# Altium PCB shkabara_motherboard.PcbDoc (continued)
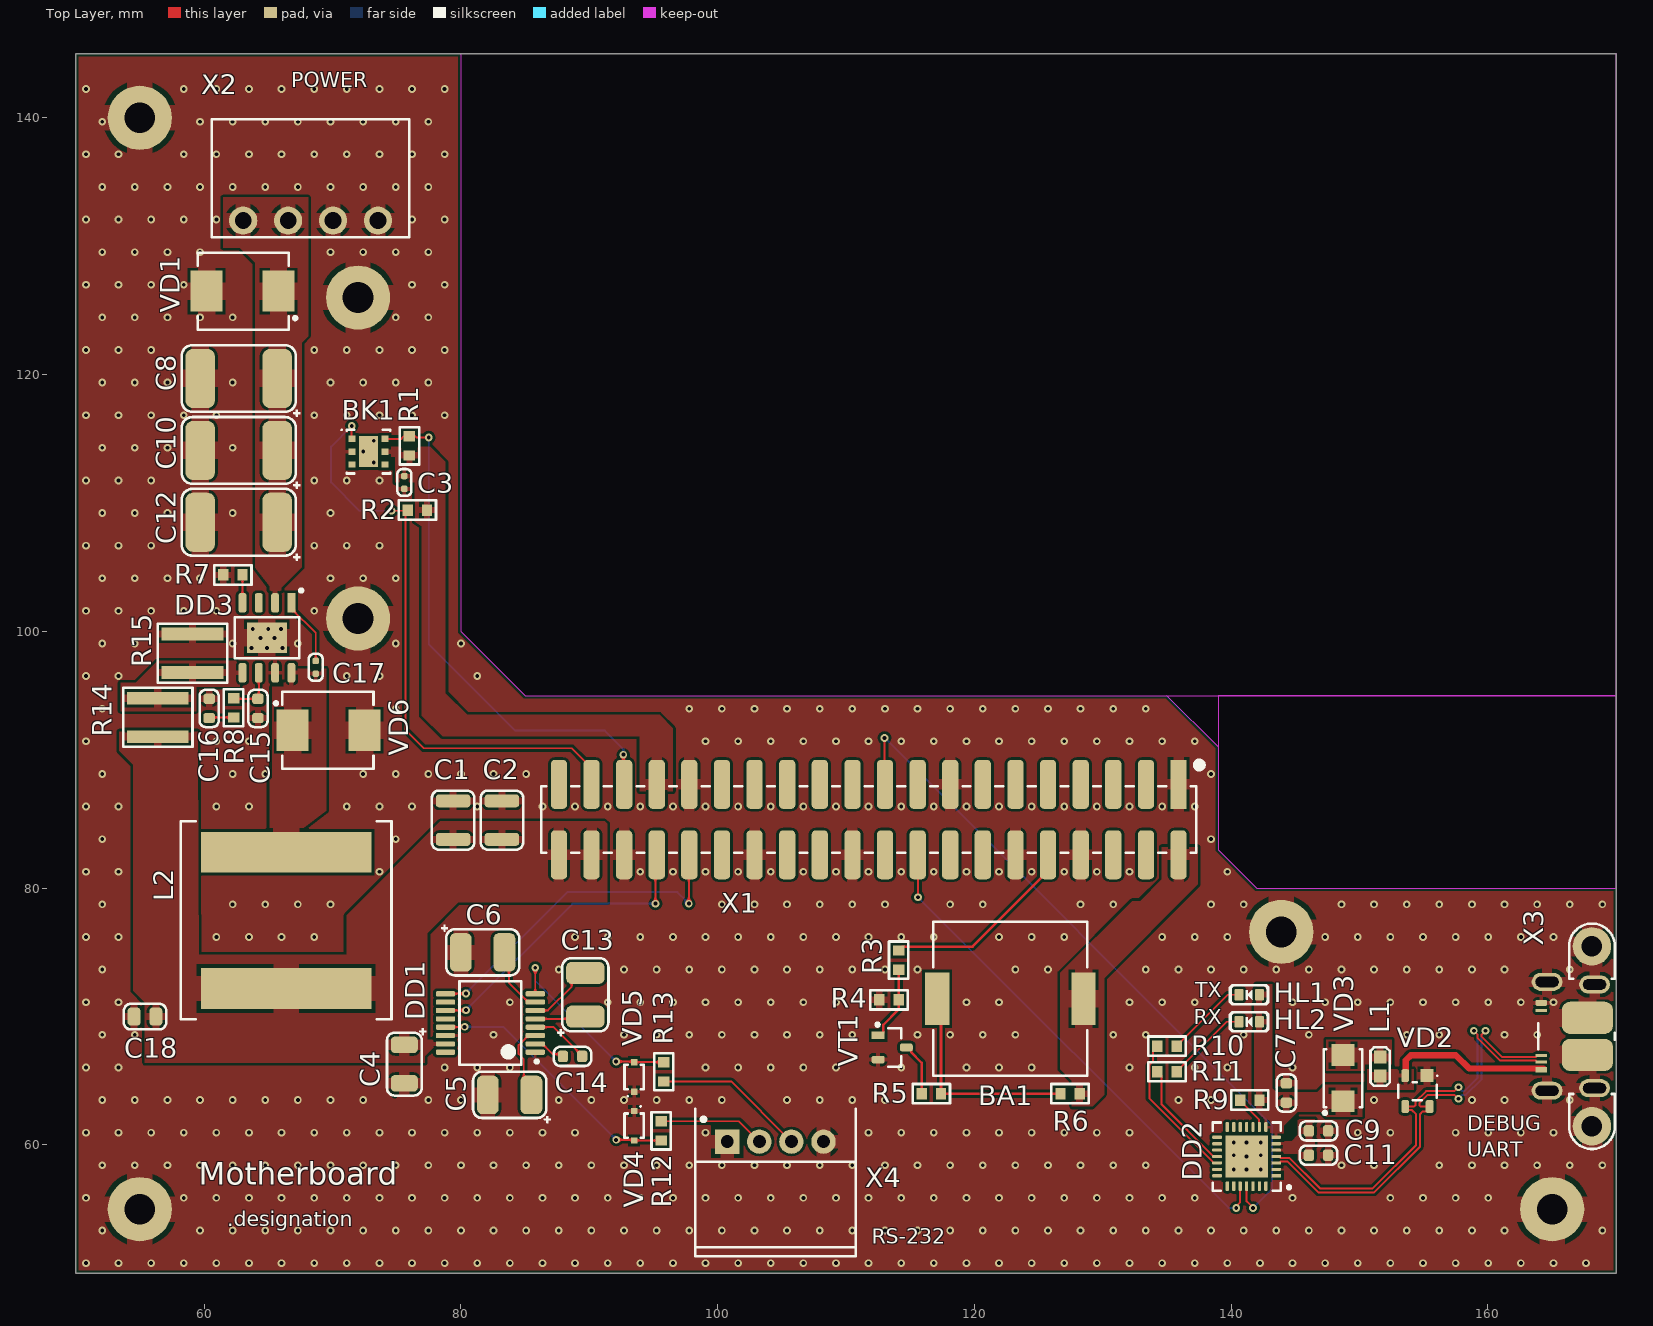
[diagram p0: Top Layer view]
## Components (designator, comment, footprint, x,y, rotation, side; value= is the part's Value field where it differs from the comment)
BA1 "PKLCS1212E4001" PKLCS1212E4001 122.8,71.4 r0 top
BK1 "HDC1080DMBR" PSON100P300X80_HS-7N 72.815,114 r0 top
C1 "220 мк" C1210 79.4,85.3 r90 top
C2 "220 мк" C1210 83.2,85.3 r90 top
C3 "0,1 мк" C0402 75.6,111.6 r270 top
C4 "0,1 мк" C3216-18 75.6,66.3 r270 top
C5 "0,33 мк" C3528-21 83.8,63.9 r180 top
C6 "0,33 мк" C3528-21 81.7,75 r0 top
C7 "1 мк" C0603 144.3,64.05 r90 top
C8 "10 мк" C7343-43 62.7,119.7 r180 top
C9 "1 мк" C0603 146.8,61.1 r180 top
C10 "10 мк" C7343-43 62.7,114.1 r180 top
C11 "0,1 мк" C0603 146.8,59.2 r0 top
C12 "10 мк" C7343-43 62.7,108.5 r180 top
C13 "0,33 мк" C3528-21 89.7,71.7 r90 top
C14 "0,047 мк" C0603 88.7,66.9 r180 top
C15 "1000" C0603 64.2,94 r270 top
C16 "0,01 мк" C0603 60.4,94 r270 top
C17 "0,1 мк" C0402 68.7,97.2 r90 top
C18 "10 мк" C0805 55.4,70 r180 top
DD1 "MAX3221ECDB" SSOP-16-P65-620X530X200-L75X30 82.3,69.5 r180 top
DD2 "CP2103-GM" QFN-28-P50-500X500X100-L55X25-T315X315 141.2,59.1 r180 top
DD3 "TPS54360BDDA" HSOIC-8-P127-490X390X170-L84X41-T310X240 64.9,99.5 r270 top
HL1 "TLMS1000-GS08" HL0603 141.4,71.7 r0 top
HL2 "TLMG1100-GS08" HL0603 141.4,69.6 r0 top
L1 "BLM18PG221SN1D" BLM-2-0603 151.6,66.1 r90 top
L2 "XAL1510-682MEB" XAL-2-1620X1520X1000 66.4,77.5 r270 top
R1 "4,7 к" R0603 76,114.45 r270 top
R2 "4,7 к" R0603 76.615,109.45 r0 top
R3 "1 к" R0603 114.1,74.4 r270 top
R4 "10 к" R0603 113.35,71.3 r0 top
R5 "100" R0603 116.65,64 r0 top
R6 "1 к" R0603 127.45,64 r0 top
R7 "68 к" R0603 62.25,104.4 r0 top
R8 "3,3 к" R0603 62.3,94.05 r90 top
R9 "4,7 к" R0603 141.45,63.5 r0 top
R10 "220" R0603 135,67.7 r0 top
R11 "220" R0603 135,65.7 r0 top
R12 "22" R0603 95.6,61.1 r90 top
R13 "22" R0603 95.8,65.7 r270 top
R14 "53.6 к" R1218 56.4,93.3 r270 top
R15 "10.2 к" R1218 59.1,98.3 r270 top
VD1 "8.0SMDJ45CA" DO-214AB-790X590X262 63,126.5 r180 top
VD2 "SP0503BAHTG" SOT-143-4-P190-292X237X122 154.5,64.2 r270 top
VD3 "SL13-E3/5AT" DO-214AC-510X270X229 148.7,65.2 r90 top
VD4 "SD12C-01FTG" SOD-323-257X130X114 93.5,61.5 r270 top
VD5 "SD12C-01FTG" SOD-323-257X130X114 93.5,65.3 r90 top
VD6 "SL43-E3/57T" DO-214AB-790X590X262 69.7,92.3 r0 top
VT1 "IRLML2502TRPBF" SOT-23-3-P95-292X237X112 113.6,67.6 r0 top
X1 "15-45-3240" 15-45-3240 111.77,85.345 r180 top
X2 "39502-1004" 39502-1004 68.3,135.3 r180 top
X3 "2108877-1" 2108877-1 167.6,68.465 r90 top
X4 "DS1069-4MRW6XA" DS1069-4MRW6XA 104.5,57.1 r0 top

## Footprints (in the part's own frame and the unit in brackets; to place one, negate y for a bottom-side part, rotate by r counter-clockwise, add the part's x,y. Pads: shape width x height; smd on the part's side, far side on the other; paste and mask are expansions set on the pad)
15-45-3240 [mm] "C-Grid 40 Pins Connector, Pitch 2,54mm, High Profile, Dual Row, V/A Type"
  rect 1.27x3.81 smd paste+0: 1(-24.13,-2.745)
  rrect50% 1.27x3.81 smd: 2(-21.59,-2.745) 3(-19.05,-2.745) 4(-16.51,-2.745) 5(-13.97,-2.745) 6(-11.43,-2.745) 7(-8.89,-2.745) 8(-6.35,-2.745) 9(-3.81,-2.745) 10(-1.27,-2.745) 11(1.27,-2.745) 12(3.81,-2.745) 13(6.35,-2.745) 14(8.89,-2.745) 15(11.43,-2.745) 16(13.97,-2.745) 17(16.51,-2.745) 18(19.05,-2.745) 19(21.59,-2.745) 20(24.13,-2.745) 21(24.13,2.745) 22(21.59,2.745) 23(19.05,2.745) 24(16.51,2.745) 25(13.97,2.745) 26(11.43,2.745) 27(8.89,2.745) 28(6.35,2.745) 29(3.81,2.745) 30(1.27,2.745) 31(-1.27,2.745) 32(-3.81,2.745) 33(-6.35,2.745) 34(-8.89,2.745) 35(-11.43,2.745) 36(-13.97,2.745) 37(-16.51,2.745) 38(-19.05,2.745) 39(-21.59,2.745) 40(-24.13,2.745)
  silkscreen extent -26,-4.5 25.5,2.6, body extent -25.39,-3.38 25.39,3.38, height 9.35
39502-1004 [mm] "4 Position Terminal Block Header, Male Pins, 3.5mm Pitch, Right Angle, THT"
  round 2.2 hole 1.295: 1(5.25,3.3) 2(1.75,3.3) 3(-1.75,3.3) 4(-5.25,3.3)
  silkscreen extent -7.7,-4.6 7.7,4.6, body extent -7.72,-4.57 7.72,4.57, height 7.11
2108877-1 [mm] "Micro USB 2.0 Type B R/A Type"
  rect 0.45x0.9 smd: 1(-2.6,3.446)
  rrect50% 0.25x0.9 smd: 2(-2,3.446) 3(-1.5,3.446) 4(2,3.446)
  rrect50% 0.45x0.9 smd: 5(2.6,3.446)
  round 3 hole 1.6: TP1(-7,-0.5) TP1(7,-0.5)
  oval 1.4x2.4 hole 0.8 slot 1.8 at 90 deg mask+0.102: TP1(-4.235,3) TP1(-4.035,-0.7) TP1(4.035,-0.7) TP1(4.235,3)
  rrect50% 2.5x3.98 smd: TP1(-1.441,-0.146) TP1(1.441,-0.146)
  silkscreen extent -8.78,-2.28 8.78,3.7, body extent -8.9,-4.2 8.9,3.7, height 3.39
BLM-2-0603 [mm] "Chip Inductor, 2-Leads, Body 1,60x0,80mm, IPC Medium Density"
  rect 1.02x0.98 smd: 1(-0.74,0) 2(0.74,0)
  silkscreen extent -1.5,-0.75 1.5,0.75, body extent -0.8,-0.37 0.8,0.38, height 0.8
C0402 [mm] "Chip Capacitor, 2-Leads, Body 1,00x0,50mm, IPC Medium Density"
  rrect50% 0.5x0.5 smd: 1(-0.5,0) 2(0.5,0)
  silkscreen extent -1.05,-0.55 1.05,0.55, body extent -0.5,-0.25 0.5,0.25, height 0.5
C0603 [mm] "Chip Capacitor, 2-Leads, Body 1,60x0,80mm, IPC Medium Density"
  rrect50% 0.8x0.9 smd: 1(-0.75,0) 2(0.75,0)
  silkscreen extent -1.45,-0.75 1.45,0.75, body extent -0.8,-0.4 0.8,0.4, height 0.8
C0805 [mm] "Chip Capasitor, 2-Leads, Body 2,00x1,25mm, IPC Medium Density"
  rrect50% 1x1.4 smd: 1(-0.85,0) 2(0.85,0)
  silkscreen extent -1.65,-1 1.65,1, body extent -1,-0.62 1,0.63, height 0.6
C1210 [mm] "Chip Capacitor, 2-Leads, Body 3,20x2,50mm, IPC Medium Density"
  rrect50% 1x2.7 smd: 1(-1.5,0) 2(1.5,0)
  silkscreen extent -2.3,-1.65 2.3,1.65, body extent -1.6,-1.25 1.6,1.25, height 0.78
C3216-18 [mm] "Chip Tantalum Capacitor, 2-Leads, Body 3,20x1,60mm, IPC Medium Density"
  rrect50% 1.3x2.1 smd: 1(-1.5,0) 2(1.5,0)
  Top Layer lines w0.05: 2.45,-0.75 2.425,-0.75
  silkscreen extent -2.8,-1.35 2.45,1.7, body extent -1.7,-0.95 1.7,0.95, height 1.83
C3528-21 [mm] "Chip Tantalum Capacitor, 2-Leads, Body 3,50x2,80mm, IPC Medium Density"
  rrect50% 1.7x3 smd: 1(-1.7,0) 2(1.7,0)
  Top Layer lines w0.05: 2.45,-0.75 2.425,-0.75
  silkscreen extent -3.2,-1.8 2.85,2.15, body extent -1.87,-1.54 1.87,1.53, height 2.13
C7343-43 [mm] "Chip Tantalum Capacitor, 2-Leads, Body 7,30x4,30mm, IPC Medium Density"
  rrect50% 2.3x4.6 smd: 1(-3,0) 2(3,0)
  Top Layer lines w0.05: 2.45,-0.75 2.425,-0.75
  silkscreen extent -4.8,-2.6 4.45,2.95, body extent -3.6,-2.35 3.59,2.35, height 4.11
DO-214AB-790X590X262 [mm] "Molded Diode, 2-Leads, Body 7,90x5,90mm, IPC Medium Density"
  rect 2.5x3.2 smd: 1(-2.8,0) 2(2.8,0)
  silkscreen extent -4.23,-3 3.5,3, body extent -3.95,-2.95 3.95,2.95, height 2.59
DO-214AC-510X270X229 [mm] "Molded Diode, 2-Leads, Body 5,10x2,70mm, IPC Medium Density"
  rect 1.7x1.8 smd: 1(-1.8,0) 2(1.8,0)
  silkscreen extent -2.82,-1.5 2.25,1.52, body extent -2.55,-1.3 2.55,1.3, height 2.26
DS1069-4MRW6XA [mm] "CWF 4 Pins Plug Header, Pitch 2,5mm, R/A Type, Type A"
  rect 1.9x1.9 hole 1: 1(-3.75,3.164)
  round 1.9 hole 1: 2(-1.25,3.164) 3(1.25,3.164) 4(3.75,3.164)
  silkscreen extent -6.25,-5.76 6.25,5.74, body extent -6.25,-5.76 6.25,5.74, height 5.85
HL0603 [mm] "Chip Resistor, 2-Leads, Body 1,60x0,80mm, IPC Medium Density"
  rrect25% 0.7x0.9 smd: 1(-0.8,0) 2(0.8,0)
  silkscreen extent -1.5,-0.75 1.5,0.75, body extent -0.81,-0.4 0.81,0.4, height 0.64
HSOIC-8-P127-490X390X170-L84X41-T310X240 [mm] "SOIC, 8-Leads, Body 4,90x3,90mm, Pitch 1,27mm, Thermal Pad 3,10x2,40mm, IPC Medium Density"
  rect 2.4x3.1 smd: 0(0,0)
  rect 1.5x0.6 smd: 1(-2.725,1.905)
  rrect50% 1.5x0.6 smd: 2(-2.725,0.635) 3(-2.725,-0.635) 4(-2.725,-1.905) 5(2.725,-1.905) 6(2.725,-0.635) 7(2.725,0.635) 8(2.725,1.905)
  silkscreen extent -3.81,-2.5 1.6,2.79, body extent -3.06,-2.47 3.06,2.48, height 1.7
PKLCS1212E4001 [mm] "Piezoelectric Sounders External Drive SMD Type"
  rect 1.9x4.1 smd: 1(-5.7,0) 2(5.7,0)
  silkscreen extent -6,-6 6,6, body extent -6,-6 6,6, height 3
PSON100P300X80_HS-7N [mm] "PSON, 6-Leads, Body 3,00x3,00mm, Pitch 1,00mm, Thermal Pad 2,40x1,50mm, IPC Medium Density"
  rect 1.5x2.4 smd: 0(0,0)
  rect 0.55x0.5 smd: 1(-1.285,1) 2(-1.285,0) 3(-1.285,-1) 4(1.285,-1) 5(1.285,0) 6(1.285,1)
  silkscreen extent -2.15,-1.7 1.7,1.75, body extent -1.55,-1.5 1.55,1.5, height 0.8
QFN-28-P50-500X500X100-L55X25-T315X315 [mm] "QFN, 28-Leads, Body 5,00x5,00mm, Pitch 0,50mm, Thermal Pad 3,15x3,15mm, IPC Medium Density"
  rect 3.3x3.3 smd: 0(0,0)
  rect 0.75x0.25 smd: 1(-2.3,1.5)
  rrect50% 0.75x0.25 smd: 2(-2.3,1) 3(-2.3,0.5) 4(-2.3,0) 5(-2.3,-0.5) 6(-2.3,-1) 7(-2.3,-1.5) 15(2.3,-1.5) 16(2.3,-1) 17(2.3,-0.5) 18(2.3,0) 19(2.3,0.5) 20(2.3,1) 21(2.3,1.5)
  rrect50% 0.25x0.75 smd: 8(-1.5,-2.3) 9(-1,-2.3) 10(-0.5,-2.3) 11(0,-2.3) 12(0.5,-2.3) 13(1,-2.3) 14(1.5,-2.3) 22(1.5,2.3) 23(1,2.3) 24(0.5,2.3) 25(0,2.3) 26(-0.5,2.3) 27(-1,2.3) 28(-1.5,2.3)
  silkscreen extent -3.43,-2.65 2.65,2.65, body extent -2.5,-2.5 2.5,2.5, height 0.9
R0603 [mm] "Chip Resistor, 2-Leads, Body 1,60x0,80mm, IPC Medium Density"
  rect 0.8x0.9 smd: 1(-0.75,0) 2(0.75,0)
  silkscreen extent -1.45,-0.75 1.45,0.75, body extent -0.77,-0.43 0.78,0.43, height 0.43
R1218 [mm] "Chip Resistor, 2-Leads, Body 4,60x3,10mm, IPC Medium Density"
  rect 1x4.8 smd: 1(-1.5,0) 2(1.5,0)
  silkscreen extent -2.3,-2.7 2.3,2.7, body extent -1.6,-2.3 1.6,2.31, height 0.55
SOD-323-257X130X114 [mm] "SOD, 2-Leads, Body 2,57x1,30mm, IPC Medium Density"
  rect 0.5x0.5 smd: 1(-1.15,0) 2(1.15,0)
  silkscreen extent -1.55,-0.75 0.95,0.75, body extent -1.3,-0.67 1.3,0.68, height 1.1
SOT-23-3-P95-292X237X112 [mm] "SOT-23, 3-Leads, Body 2,92x2,37mm, Pitch 0,95mm, IPC Medium Density"
  rrect50% 1x0.6 smd: D(1.1,0) S(-1.1,-0.95)
  rect 1x0.6 smd: G(-1.1,0.95)
  silkscreen extent -1.27,-1.5 0.7,1.9, body extent -1.2,-1.46 1.2,1.46, height 1.2
SOT-143-4-P190-292X237X122 [mm] "SOT143, 4-Leads, Body 2,92x2,37mm, Pitch 1,90mm, IPC Medium Density"
  rect 1x1 smd: 1(-1.2,0.75)
  rrect50% 1x0.6 smd: 2(-1.2,-0.95) 3(1.2,-0.95) 4(1.2,0.95)
  silkscreen extent -1.25,-1.5 0.7,1.6, body extent -1.18,-1.45 1.18,1.45, height 1.22
SSOP-16-P65-620X530X200-L75X30 [mm] "SSOP, 16-Leads, Body 6,20x5,30mm, Pitch 0,65mm, IPC Medium Density"
  rrect50% 1.5x0.4 smd: 1(-3.5,2.275) 2(-3.5,1.625) 3(-3.5,0.975) 4(-3.5,0.325) 5(-3.5,-0.325) 6(-3.5,-0.975) 7(-3.5,-1.625) 8(-3.5,-2.275) 9(3.5,-2.275) 10(3.5,-1.625) 11(3.5,-0.975) 12(3.5,-0.325) 13(3.5,0.325) 14(3.5,0.975) 15(3.5,1.625) 16(3.5,2.275)
  silkscreen extent -3.73,-3.25 2.4,3.25, body extent -3.9,-3.1 3.9,3.1, height 2
XAL-2-1620X1520X1000 [mm] "Precision Wire Wound Inductor, 2-Leads, Body 16,20x15,20mm, IPC Medium Density"
  rect 3.18x13.3 smd: 1(-5.3,0) 2(5.3,0)
  silkscreen extent -7.7,-8.2 7.7,8.2, body extent -7.7,-8.2 7.7,8.2, height 10

## Part data
BA1: "Piezoelectric Sounders External Drive SMD Type", URL=http://www.farnell.com/datasheets/2157985.pdf
BK1: library part HDC1080, "HDC1080 Low Power, High Accuracy Digital Humidity Sensor with Temperature Sensor", URL=https://www.ti.com/lit/ds/symlink/hdc1080.pdf?ts=1618660538685
C1 C2: library part c0158, "=Описание", HelpURL=https://www.yageo.com/upload/media/product/productsearch/datasheet/mlcc/UPY-GPHC_X5R_4V-to-50V_26.pdf, ID=c0158, Корпус=1210, Наименование=CC1210KRX5R5BB227, Напряжение="6.3 В", Номинал="220 мк", Номинальное напряжение="6.3 В", Описание="Конденсатор керамический чип 1210 220 мкФ 6.3 В ±10 %", Отклонение="±10 %", Производитель="YAGEO Corp.", Рабочие температуры="от –55 °С до +85 °С", Температурный коэффициент емкости=X5R, Фамилия=Шкабара
C3 C17: library part c0062, "=Описание", HelpURL=https://www.yageo.com/upload/media/product/productsearch/datasheet/mlcc/UPY-GPHC_X5R_4V-to-50V_26.pdf, ID=c0062, Корпус=0402, Наименование=CC0402KRX5R8BB104, Напряжение="25 В", Номинал="0,1 мк", Номинальное напряжение="25 В", Описание="Конденсатор керамический чип 0402 100 нФ 25 В ±10 %", Отклонение="±10 %", Производитель="YAGEO Corp.", Рабочие температуры="от –55 °С до +85 °С", Температурный коэффициент емкости=X5R, Фамилия=Паньков
C4: library part c0001, "=Описание", HelpURL=https://www.vishay.com/capacitors/list/product-40002/, ID=c0001, Корпус=3216-18, Наименование=293D104X9050A2TE3, Напряжение="50 В", Номинал="0,1 мк", Номинальное напряжение="50 В", Описание="Конденсатор танталовый чип 3216-18 100 нФ 50 В ±10 %", Отклонение="±10 %", Производитель="Vishay Intertechnology, Inc.", Рабочие температуры="от –55 °С до +125 °С", Среднеквадратичный размах пульсации тока="0,06 А", Фамилия=Ларионов, Эквивалентное последовательное сопротивление="19,0 Ом"
C5 C6 C13: library part c0005, "=Описание", HelpURL=https://www.vishay.com/capacitors/list/product-40002/, ID=c0005, Корпус=3528-21, Наименование=293D334X9050B2TE3, Напряжение="50 В", Номинал="0,33 мк", Номинальное напряжение="50 В", Описание="Конденсатор танталовый чип 3528-21 330 нФ 50 В ±10 %", Отклонение="±10 %", Производитель="Vishay Intertechnology, Inc.", Рабочие температуры="от –55 °С до +125 °С", Среднеквадратичный размах пульсации тока="0,09 А", Фамилия=Паньков, Эквивалентное последовательное сопротивление="10,0 Ом"
C7 C9: library part c0095, "=Описание", HelpURL=https://www.yageo.com/upload/media/product/productsearch/datasheet/mlcc/UPY-GPHC_X7R_6.3V-to-50V_20.pdf, ID=c0095, Корпус=0603, Наименование=CC0603KRX7R8BB105, Напряжение="25 В", Номинал="1 мк", Номинальное напряжение="25 В", Описание="Конденсатор керамический чип 0603 1 мкФ 25 В ±10 %", Отклонение="±10 %", Производитель="YAGEO Corp.", Рабочие температуры="от –55 °С до +125 °С", Температурный коэффициент емкости=X7R, Фамилия=Ларионов
C8 C10 C12: library part c0082, "=Описание", HelpURL=https://www.vishay.com/capacitors/list/product-40002/, ID=c0082, Корпус=7343-43, Наименование=293D106X9050E2TE3, Напряжение="50 В", Номинал="10 мк", Номинальное напряжение="50 В", Описание="Конденсатор танталовый чип 7343-43 10 мкФ 50 В ±10 %", Отклонение="±10 %", Производитель="Vishay Intertechnology, Inc.", Рабочие температуры="от –55 °С до +125 °С", Среднеквадратичный размах пульсации тока="0,45 А", Фамилия=Паньков, Эквивалентное последовательное сопротивление="0,8 Ом"
C11: library part c0063, "=Описание", HelpURL=https://www.yageo.com/upload/media/product/productsearch/datasheet/mlcc/UPY-GPHC_X7R_6.3V-to-50V_20.pdf, ID=c0063, Корпус=0603, Наименование=CC0603KRX7R8BB104, Напряжение="25 В", Номинал="0,1 мк", Номинальное напряжение="25 В", Описание="Конденсатор керамический чип 0603 100 нФ 25 В ±10 %", Отклонение="±10 %", Производитель="YAGEO Corp.", Рабочие температуры="от –55 °С до +125 °С", Температурный коэффициент емкости=X7R, Фамилия=Паньков
C14: library part c0055, "=Описание", HelpURL=https://www.yageo.com/upload/media/product/productsearch/datasheet/mlcc/UPY-GPHC_X7R_6.3V-to-50V_20.pdf, ID=c0055, Корпус=0603, Наименование=CC0603KRX7R9BB473, Напряжение="50 В", Номинал="0,047 мк", Номинальное напряжение="50 В", Описание="Конденсатор керамический чип 0603 47 нФ 50 В ±10 %", Отклонение="±10 %", Производитель="YAGEO Corp.", Рабочие температуры="от –55 °С до +125 °С", Температурный коэффициент емкости=X7R, Фамилия=Паньков
C15: library part c0020, "=Описание", HelpURL=https://www.yageo.com/upload/media/product/productsearch/datasheet/mlcc/UPY-GPHC_X7R_6.3V-to-50V_20.pdf, ID=c0020, Корпус=0603, Наименование=CC0603KRX7R9BB102, Напряжение="50 В", Номинал=1000, Номинальное напряжение="50 В", Описание="Конденсатор керамический чип 0603 1 нФ 50 В ±10 %", Отклонение="±10 %", Производитель="YAGEO Corp.", Рабочие температуры="от –55 °С до +125 °С", Температурный коэффициент емкости=X7R, Фамилия=Паньков
C16: library part c0040, "=Описание", HelpURL=https://www.yageo.com/upload/media/product/productsearch/datasheet/mlcc/UPY-GPHC_X7R_6.3V-to-50V_20.pdf, ID=c0040, Корпус=0603, Наименование=CC0603KRX7R9BB103, Напряжение="50 В", Номинал="0,01 мк", Номинальное напряжение="50 В", Описание="Конденсатор керамический чип 0603 10 нФ 50 В ±10 %", Отклонение="±10 %", Производитель="YAGEO Corp.", Рабочие температуры="от –55 °С до +125 °С", Температурный коэффициент емкости=X7R, Фамилия=Паньков
C18: library part c0124, "=Описание", HelpURL=https://www.yageo.com/upload/media/product/productsearch/datasheet/mlcc/UPY-GPHC_X7R_6.3V-to-50V_20.pdf, ID=c0124, Корпус=0805, Наименование=CC0805KKX7R6BB106, Напряжение="10 В", Номинал="10 мк", Номинальное напряжение="10 В", Описание="Конденсатор керамический чип 0805 10 мкФ 10 В ±10 %", Отклонение="±10 %", Производитель="YAGEO Corp.", Рабочие температуры="от –55 °С до +125 °С", Температурный коэффициент емкости=X7R, Фамилия=Паньков
DD1: library part dd0015, "=Описание", HelpURL=https://www.ti.com/product/MAX3221E, ID=dd0015, Корпус=SSOP-16, Наименование=MAX3221ECDB, Описание="Приемопередатчик RS-232", Производитель="Texas Instruments Inc.", Рабочие температуры="от 0 до +70 °C", Фамилия=Шкабара
DD2: library part dd0004, "=Описание", HelpURL=https://www.silabs.com/interface/usb-bridges/classic/device.cp2103, ID=dd0004, Корпус=QFN-28, Наименование=CP2103-GM, Описание="Преобразователь USB-UART", Производитель="Silicon Laboratories", Рабочие температуры="от –40 до +85 °C", Фамилия=Кондрашова
DD3: library part dd0006, "=Описание", HelpURL=https://www.ti.com/product/TPS54360B, ID=dd0006, Входное напряжение="от 4,5 В до 60 В", Выходное напряжение="от 1,0 В до 58,8 В", Коммутируемый ток="до 3,5 А", Корпус=HSOIC-8, Наименование=TPS54360BDDA, Описание="Понижающий преобразователь напряжения 4,5…60 В / 1…58,8 В и 3,5 А", Производитель="Texas Instruments Inc.", Рабочие температуры="от –40 °С до +150 °С", Фамилия=Жернаков, Частота переключения="от 100 кГц до 2,5 МГц"
HL1: library part hl0001, "=Описание", HelpURL=https://www.vishay.com/leds/list/product-83172/, ID=hl0001, Корпус=0603, Наименование=TLMS1000-GS08, Номинальная длина волны="628 нм", Номинальная сила света="4 мкд", Номинальное падение напряжения="1,8 В", Номинальный прямой ток="15 мА", Описание="Светодиод чип 0603 красный", Производитель="Vishay Intertechnology, Inc.", Рабочие температуры="от –40 °С до +100 °С", Рассеиваемая мощность="40 мВт", Фамилия=Ларионов, Цвет=Красный
HL2: library part hl0005, "=Описание", HelpURL=https://www.vishay.com/leds/list/product-83173/, ID=hl0005, Корпус=0603, Наименование=TLMG1100-GS08, Номинальная длина волны="570 нм", Номинальная сила света="35 мкд", Номинальное падение напряжения="2,1 В", Номинальный прямой ток="30 мА", Описание="Светодиод чип 0603 зеленый", Производитель="Vishay Intertechnology, Inc.", Рабочие температуры="от –40 °С до +100 °С", Рассеиваемая мощность="90 мВт", Фамилия=Ларионов, Цвет=Зеленый
L1: library part l0002, "=Описание", HelpURL=https://www.murata.com/en-global/products/productdetail?partno=BLM18PG221SN1%23, ID=l0002, Корпус=0603, Наименование=BLM18PG221SN1D, Описание="Ферритовая бусина 220 Ом ±25 %", Отклонение, 100 МГц="±25 %", Производитель="Murata Manufacturing Co., Ltd.", Рабочие температуры="от –55 °С до +125 °С", Сопротивление, 100 МГц="220 Ом", Сопротивление при постоянном токе="0,1 Ом", Фамилия=Самарин
L2: library part l0003, "=Описание", HelpURL=https://www.coilcraft.com/en-us/products/power/shielded-inductors/molded-inductor/xal/xal1510, ID=l0003, Индуктивность="6,8 мкГн", Корпус="16,2 x 15,2 x 10", Максимальное активное сопротивление="4,6 мОм", Наименование=XAL1510-682MEB, Номинал="6,8 мкГн", Номинальное активное сопротивление="4,17 мОм", Номинальный ток (при нагреве на 20 °С/40 °С)="19 А", Описание="Катушка индуктивности 6,8 мкГн ±20 %", Отклонение="±20 %", Производитель="Coilcraft, Inc.", Рабочее напряжение="от 0 В до 60 В", Рабочие температуры="от –40 °С до +125 °С", Резонансная частота="11,5 МГц", Ток насыщения="36 А", Фамилия=Засецкий
R1 R2 R9: library part r0094, "=Описание", HelpURL=https://www.yageo.com/upload/media/product/productsearch/datasheet/rchip/PYu-RC_Group_51_RoHS_L_11.pdf, ID=r0094, Корпус=0603, Наименование=RC0603FR-074K7L, Номинал="4,7 к", Номинальное напряжение="75 В", Номинальный ток="1 А", Описание="Резистор чип 0603 4,7 кОм ±1 % 0,1 Вт", Отклонение="±1 %", Примечание="Ряд E24", Производитель="YAGEO Corp.", Рабочие температуры="от –55 °С до +155 °С", Фамилия=Ларионов
R3 R6: library part r0076, "=Описание", HelpURL=https://www.yageo.com/upload/media/product/productsearch/datasheet/rchip/PYu-RC_Group_51_RoHS_L_11.pdf, ID=r0076, Корпус=0603, Наименование=RC0603FR-071KL, Номинал="1 к", Номинальное напряжение="75 В", Номинальный ток="1 А", Описание="Резистор чип 0603 1 кОм ±1 % 0,1 Вт", Отклонение="±1 %", Примечание="Ряд E24", Производитель="YAGEO Corp.", Рабочие температуры="от –55 °С до +155 °С", Фамилия=Ларионов
R4: library part r0105, "=Описание", HelpURL=https://www.yageo.com/upload/media/product/productsearch/datasheet/rchip/PYu-RC_Group_51_RoHS_L_11.pdf, ID=r0105, Корпус=0603, Наименование=RC0603FR-0710KL, Номинал="10 к", Номинальное напряжение="75 В", Номинальный ток="1 А", Описание="Резистор чип 0603 10 кОм ±1 % 0,1 Вт", Отклонение="±1 %", Примечание="Ряд E24", Производитель="YAGEO Corp.", Рабочие температуры="от –55 °С до +155 °С", Фамилия=Самарин
R5: library part r0052, "=Описание", HelpURL=https://www.yageo.com/upload/media/product/productsearch/datasheet/rchip/PYu-RC_Group_51_RoHS_L_11.pdf, ID=r0052, Корпус=0603, Наименование=RC0603FR?-07100RL, Номинал=100, Номинальное напряжение="75 В", Номинальный ток="1 А", Описание="Резистор чип 0603 100 Ом ±1 % 0,1 Вт", Отклонение="±1 %", Примечание="Ряд E24", Производитель="YAGEO Corp.", Рабочие температуры="от –55 °С до +155 °С", Фамилия=Самарин
R7: library part r0136, "=Описание", HelpURL=https://www.yageo.com/upload/media/product/productsearch/datasheet/rchip/PYu-RC_Group_51_RoHS_L_11.pdf, ID=r0136, Корпус=0603, Наименование=RC0603FR-0768KL, Номинал="68 к", Номинальное напряжение="75 В", Номинальный ток="1 А", Описание="Резистор чип 0603 68 кОм ±1 % 0,1 Вт", Отклонение="±1 %", Примечание="Ряд E24", Производитель="YAGEO Corp.", Рабочие температуры="от –55 °С до +155 °С", Фамилия=Паньков
R8: library part r0089, "=Описание", HelpURL=https://www.yageo.com/upload/media/product/productsearch/datasheet/rchip/PYu-RC_Group_51_RoHS_L_11.pdf, ID=r0089, Корпус=0603, Наименование=RC0603FR-073K3L, Номинал="3,3 к", Номинальное напряжение="75 В", Номинальный ток="1 А", Описание="Резистор чип 0603 3,3 кОм ±1 % 0,1 Вт", Отклонение="±1 %", Примечание="Ряд E24", Производитель="YAGEO Corp.", Рабочие температуры="от –55 °С до +155 °С", Фамилия=Паньков
R10 R11: library part r0060, "=Описание", HelpURL=https://www.yageo.com/upload/media/product/productsearch/datasheet/rchip/PYu-RC_Group_51_RoHS_L_11.pdf, ID=r0060, Корпус=0603, Наименование=RC0603FR-07220RL, Номинал=220, Номинальное напряжение="75 В", Номинальный ток="1 А", Описание="Резистор чип 0603 220 Ом ±1 % 0,1 Вт", Отклонение="±1 %", Примечание="Ряд E24", Производитель="YAGEO Corp.", Рабочие температуры="от –55 °С до +155 °С", Фамилия=Ларионов
R12 R13: library part r0034, "=Описание", HelpURL=https://www.yageo.com/upload/media/product/productsearch/datasheet/rchip/PYu-RC_Group_51_RoHS_L_11.pdf, ID=r0034, Корпус=0603, Наименование=RC0603FR-0722RL, Номинал=22, Номинальное напряжение="75 В", Номинальный ток="1 А", Описание="Резистор чип 0603 22 Ом ±1 % 0,1 Вт", Отклонение="±1 %", Примечание="Ряд E24", Производитель="YAGEO Corp.", Рабочие температуры="от –55 °С до +155 °С", Фамилия=Ларионов
R14: library part r0205, "=Описание", HelpURL=https://www.yageo.com/upload/media/product/productsearch/datasheet/rchip/PYu-AA_51_RoHS_L_3.pdf, ID=r0205, Корпус=1218, Наименование=AA1218FK-0753K6L, Номинал="53.6 к", Номинальное напряжение="200 В", Номинальный ток="6 А", Описание="Резистор чип 1218 53.6 кОм ±1 % 1 Вт", Отклонение="±1 %", Примечание="Ряд E96", Производитель="YAGEO Corp.", Рабочие температуры="от –55 °С до +155 °С", Фамилия=Шкабара
R15: library part r0204, "=Описание", HelpURL=https://www.yageo.com/upload/media/product/productsearch/datasheet/rchip/PYu-AA_51_RoHS_L_3.pdf, ID=r0204, Корпус=1218, Наименование=AA1218FK-0710K2L, Номинал="10.2 к", Номинальное напряжение="200 В", Номинальный ток="6 А", Описание="Резистор чип 1218 10.2 кОм ±1 % 1 Вт", Отклонение="±1 %", Примечание="Ряд E96", Производитель="YAGEO Corp.", Рабочие температуры="от –55 °С до +155 °С", Фамилия=Шкабара
VD1 VD6: library part vd0008, "=Описание", ID=vd0008, Корпус=DO-214AB, Фамилия=Шкабара
  VD1: HelpURL=https://www.littelfuse.com/products/tvs-diodes/surface-mount/8.0smdj.aspx, Наименование=8.0SMDJ45CA, Описание="Двунаправленная диодная сборка для подавления помех 45 В", Производитель="Littelfuse, Inc."
  VD6: HelpURL=https://www.vishay.com/diodes/list/product-88742/, Максимальное обратное напряжение="30 В", Максимальное прямое напряжение="0,42 В", Максимальный прямой ток="4 А", Наименование=SL43-E3/57T, Описание="Диод Шоттки 30 В 4 А", Производитель="Vishay Intertechnology, Inc.", Рабочие температуры="от –55 °С до +150 °С"
VD2: library part vd0001, "=Описание", HelpURL=https://www.littelfuse.com/products/tvs-diode-arrays/general-purpose-esd-protection/sp050xba-lead-free-green.aspx, ID=vd0001, Корпус=SOT-143-4, Наименование=SP0503BAHTG, Описание="Диодная сборка для подавления помех 5 В", Производитель="Littelfuse, Inc.", Фамилия=Ларионов
VD3: library part vd0003, "=Описание", HelpURL=https://www.vishay.com/product?docid=88740, ID=vd0003, Корпус=DO-214AC, Максимальное обратное напряжение="30 В", Максимальное прямое напряжение="0,445 В", Максимальный прямой ток="1,5 А", Наименование=SL13-E3/5AT, Описание="Диод Шоттки 30 В 1,5 А", Производитель="Vishay Intertechnology, Inc.", Рабочие температуры="от –55 °С до +125 °С", Фамилия=Ларионов
VD4 VD5: library part vd0004, "=Описание", HelpURL=https://www.littelfuse.com/products/tvs-diode-arrays/general-purpose-esd-protection/sdc/sd12c_01ftg.aspx, ID=vd0004, Корпус=SOD-323, Наименование=SD12C-01FTG, Описание="Двунаправленная диодная сборка для подавления помех 12 В", Производитель="Littelfuse, Inc.", Фамилия=Ларионов
VT1: library part vt0006, "=Описание", HelpURL=https://www.infineon.com/cms/en/product/power/mosfet/12v-300v-n-channel-power-mosfet/irlml2502/, ID=vt0006, Корпус=SOT-23-3, Наименование=IRLML2502TRPBF, Напряжение затвор — исток="±12 В", Напряжение сток — исток="20 В", Описание="Полевой N-канальный МДП-транзистор 20 В 4,2 А", Производитель="Infineon Technologies AG", Рабочие температуры="от –55 °С до +150 °С", Сопротивление сток — исток="80 мОм", Ток стока="4,2 А", Фамилия=Паньков
X1: library part x0054, "=Описание", Contact_1=GND, Contact_2=GPIO26, Contact_3=GPIO19, Contact_4=GPIO13, Contact_5=GPIO6, Contact_6=GPIO5, Contact_7=GPIO0, Contact_8=GND, Contact_9=GPIO11, Contact_10=GPIO9, Contact_11=GPIO10, Contact_12=3V3, Contact_13=GPIO22, Contact_14=GPIO27, Contact_15=GPIO17, Contact_16=GND, Contact_17=GPIO4, Contact_18=GPIO3, Contact_19=GPIO2, Contact_20=3V3, Contact_21=5V, Contact_22=5V, Contact_23=GND, Contact_24=GPIO14, Contact_25=GPIO15, Contact_26=GPIO18, Contact_27=GND, Contact_28=GPIO23, Contact_29=GPIO24, Contact_30=GND, Contact_31=GPIO25, Contact_32=GPIO8, Contact_33=GPIO7, Contact_34=GPIO1, Contact_35=GND, Contact_36=GPIO12, Contact_37=GND, Contact_38=GPIO16, Contact_39=GPIO20, Contact_40=GPIO21, HelpURL=https://www.molex.com/molex/products/part-detail/pcb_receptacles/0015453240, ID=x0054, Наименование=15-45-3240, Описание="C-Grid 40 pin 2,54 мм гнездо прямой", Производитель=Molex, Фамилия=Козлов
X2: library part x0049, "=Описание", Contact_1=+24V, Contact_2=+24V, Contact_3=GND, Contact_4=GND, HelpURL=https://www.molex.com/molex/products/part-detail/terminal_blocks/0395021004, ID=x0049, Наименование=39502-1004, Описание="Terminal Block 4 pin 3,5 мм", Производитель=Molex, Фамилия=Шкабара
X3: library part x0001, "=Описание", Contact_1=VBUS, Contact_2=D-, Contact_3=D+, Contact_4=ID, Contact_5=GND, HelpURL=https://www.te.com/global-en/product-2108877-1.html, ID=x0001, TP1=Shield, Наименование=2108877-1, Описание="Micro USB 2.0 Type B IP68 гнездо угловой", Производитель="TE Connectivity", Фамилия=Ларионов
X4: library part x0043, "=Описание", Contact_1=GND, Contact_2=TX, Contact_3=RX, Contact_4=GND, HelpURL=http://en.connfly.group/product/xVkr=EusQssAN0gN=Aos=mU+UrVkR9kqEAN0gN0MUR+g+NB+A, ID=x0043, Наименование=DS1069-4MRW6XA, Описание="CWF 4 pin Type A 2,5 мм вилка угловой", Производитель="Connfly Electronic Co., Ltd.", Фамилия=Паньков

## Free pads (board coordinates)
  round 5 hole 2.4: 2(55,55) 2(55,140) 2(72,101) 2(72,126) 2(143.9,76.6) 2(165,55)

## Via types
v1: diameter 0.6, hole 0.3, Top Layer to Bottom Layer, tented both sides, 627 vias
v2: diameter 0.6, hole 0.3, Top Layer to Bottom Layer, tented top, 30 vias

## Nets (pads, with @x,y where several pads share a name; then routed paths per layer and width w, separated by ;. In a path a pad name is that pad's centre, name@x,y a point inside that pad or via, vN(x,y) a via of type N, cw(c..) or ccw(c..) an arc to the next point about the centre after c; other vN are vias at no path point)
24V_IN: C8.1 C10.1 C12.1 DD3.2 VD1.1 X2.1 X2.2
+3V3: BK1.5 C3.1 R1.2 R2.2 X1.17
+3V3_SPKR: BA1.2 R6.2 X1.40
+5V: C1.1 C2.1 C4.1 C18.1 DD1.15 L2.2 R14.2 X1.21 X1.22
+5V_USB: C7.1 DD2.7 DD2.8 HL1.2 HL2.2 R9.2 VD3.1
BOOT: C17.2 DD3.1 | length 5.3
  Top Layer w0.15: DD3.1 66.805,101.775 68.7,99.88 C17.2
CN_5V_IN: L1.1 VD2.2 X3.1 | length 12.5
  Top Layer w0.5: VD2.2 153.6,65.45 153.6,66.6 154,67 157.5,67 158.541,65.959 X3.1@164.308,65.959
COMP: C15.1 DD3.6 R8.2 | length 4
  Top Layer w0.15: R8.2@62.3,94.75 C15.1 64.265,94.815 DD3.6
FB: DD3.5 R14.1 R15.2
GND: BK1.2 C1.2 C2.2 C3.2 C4.2 C5.2 C6.1 C7.2 C8.2 C9.1 C10.2 C11.2 C12.2 C15.2 C16.1 C18.2 DD1.1 DD1.14 DD2.0 DD2.2 DD3.0 DD3.7 pad.2 R4.1 R7.1 R15.1 VD1.2 VD2.1 VD4.1 VD5.1 VD6.2 VT1.S X1.1 X1.8 X1.16 X1.23 X1.27 X1.30 X1.35 X1.37 X2.3 X2.4 X3.5 X3.TP1 X4.1 X4.4
  other v1: 50.8,50.8 53.34,50.8 55.88,50.8 58.42,50.8 60.96,50.8 63.5,50.8 66.04,50.8 68.58,50.8 71.12,50.8 73.66,50.8 76.2,50.8 78.74,50.8 81.28,50.8 83.82,50.8 86.36,50.8 88.9,50.8 91.44,50.8 93.98,50.8 96.52,50.8 99.06,50.8 101.6,50.8 104.14,50.8 106.68,50.8 109.22,50.8 111.76,50.8 114.3,50.8 116.84,50.8 119.38,50.8 121.92,50.8 124.46,50.8 127,50.8 129.54,50.8 132.08,50.8 134.62,50.8 137.16,50.8 139.7,50.8 142.24,50.8 144.78,50.8 147.32,50.8 149.86,50.8 152.4,50.8 154.94,50.8 157.48,50.8 160.02,50.8 162.56,50.8 165.1,50.8 167.64,50.8 52.07,53.34 59.69,53.34 62.23,53.34 64.77,53.34 67.31,53.34 69.85,53.34 72.39,53.34 74.93,53.34 77.47,53.34 80.01,53.34 82.55,53.34 85.09,53.34 87.63,53.34 90.17,53.34 92.71,53.34 95.25,53.34 97.79,53.34 100.33,53.34 102.87,53.34 105.41,53.34 107.95,53.34 110.49,53.34 113.03,53.34 115.57,53.34 118.11,53.34 120.65,53.34 123.19,53.34 125.73,53.34 128.27,53.34 130.81,53.34 133.35,53.34 135.89,53.34 138.43,53.34 140.97,53.34 143.51,53.34 146.05,53.34 148.59,53.34 151.13,53.34 153.67,53.34 156.21,53.34 158.75,53.34 161.29,53.34 168.91,53.34 50.8,55.88 58.42,55.88 60.96,55.88 63.5,55.88 66.04,55.88 68.58,55.88 71.12,55.88 73.66,55.88 76.2,55.88 78.74,55.88 81.28,55.88 83.82,55.88 86.36,55.88 88.9,55.88 91.44,55.88 93.98,55.88 96.52,55.88 99.06,55.88 101.6,55.88 104.14,55.88 106.68,55.88 109.22,55.88 111.76,55.88 114.3,55.88 116.84,55.88 119.38,55.88 121.92,55.88 124.46,55.88 127,55.88 129.54,55.88 132.08,55.88 134.62,55.88 137.16,55.88 144.78,55.88 152.4,55.88 154.94,55.88 157.48,55.88 160.02,55.88 52.07,58.42 54.61,58.42 57.15,58.42 59.69,58.42 62.23,58.42 64.77,58.42 67.31,58.42 69.85,58.42 72.39,58.42 74.93,58.42 77.47,58.42 80.01,58.42 82.55,58.42 85.09,58.42 87.63,58.42 90.17,58.42 92.71,58.42 95.25,58.42 97.79,58.42 100.33,58.42 102.87,58.42 105.41,58.42 107.95,58.42 110.49,58.42 113.03,58.42 115.57,58.42 118.11,58.42 120.65,58.42 123.19,58.42 125.73,58.42 128.27,58.42 130.81,58.42 133.35,58.42 148.59,58.42 151.13,58.42 156.21,58.42 158.75,58.42 161.29,58.42 163.83,58.42 166.37,58.42 168.91,58.42 50.8,60.96 53.34,60.96 55.88,60.96 58.42,60.96 60.96,60.96 63.5,60.96 66.04,60.96 68.58,60.96 71.12,60.96 73.66,60.96 76.2,60.96 78.74,60.96 81.28,60.96 83.82,60.96 86.36,60.96 88.9,60.96 99.06,60.96 111.76,60.96 114.3,60.96 116.84,60.96 119.38,60.96 121.92,60.96 124.46,60.96 127,60.96 129.54,60.96 132.08,60.96 149.86,60.96 152.4,60.96 157.48,60.96 160.02,60.96 162.56,60.96 165.1,60.96 52.07,63.5 54.61,63.5 57.15,63.5 59.69,63.5 62.23,63.5 64.77,63.5 67.31,63.5 69.85,63.5 72.39,63.5 77.47,63.5 80.01,63.5 87.63,63.5 90.17,63.5 92.71,63.5 95.25,63.5 97.79,63.5 100.33,63.5 105.41,63.5 107.95,63.5 110.49,63.5 113.03,63.5 135.89,63.5 138.43,63.5 151.13,63.5 158.75,63.5 161.29,63.5 166.37,63.5 50.8,66.04 53.34,66.04 78.74,66.04 81.28,66.04 83.82,66.04 99.06,66.04 101.6,66.04 104.14,66.04 106.68,66.04 109.22,66.04 114.3,66.04 119.38,66.04 121.92,66.04 124.46,66.04 132.08,66.04 137.16,66.04 139.7,66.04 144.78,66.04 52.07,68.58 54.61,68.58 82.55,68.58 92.71,68.58 95.25,68.58 97.79,68.58 100.33,68.58 102.87,68.58 105.41,68.58 107.95,68.58 110.49,68.58 115.57,68.58 118.11,68.58 120.65,68.58 123.19,68.58 130.81,68.58 133.35,68.58 140.97,68.58 146.05,68.58 153.67,68.58 156.21,68.58 161.29,68.58 163.83,68.58 50.8,71.12 53.34,71.12 83.82,71.12 91.44,71.12 93.98,71.12 96.52,71.12 99.06,71.12 101.6,71.12 104.14,71.12 106.68,71.12 109.22,71.12 119.38,71.12 121.92,71.12 132.08,71.12 134.62,71.12 137.16,71.12 144.78,71.12 147.32,71.12 149.86,71.12 152.4,71.12 154.94,71.12 157.48,71.12 160.02,71.12 162.56,71.12 165.1,71.12 52.07,73.66 87.63,73.66 92.71,73.66 95.25,73.66 97.79,73.66 100.33,73.66 102.87,73.66 105.41,73.66 107.95,73.66 110.49,73.66 113.03,73.66 115.57,73.66 123.19,73.66 125.73,73.66 133.35,73.66 135.89,73.66 138.43,73.66 140.97,73.66 143.51,73.66 146.05,73.66 148.59,73.66 151.13,73.66 153.67,73.66 156.21,73.66 158.75,73.66 161.29,73.66 166.37,73.66 50.8,76.2 53.34,76.2 60.96,76.2 63.5,76.2 66.04,76.2 68.58,76.2 88.9,76.2 91.44,76.2 93.98,76.2 96.52,76.2 99.06,76.2 101.6,76.2 104.14,76.2 106.68,76.2 109.22,76.2 111.76,76.2 114.3,76.2 116.84,76.2 121.92,76.2 124.46,76.2 127,76.2 134.62,76.2 137.16,76.2 139.7,76.2 147.32,76.2 149.86,76.2 152.4,76.2 154.94,76.2 157.48,76.2 160.02,76.2 162.56,76.2 165.1,76.2 52.07,78.74 62.23,78.74 64.77,78.74 67.31,78.74 69.85,78.74 100.33,78.74 102.87,78.74 105.41,78.74 107.95,78.74 110.49,78.74 113.03,78.74 118.11,78.74 120.65,78.74 128.27,78.74 130.81,78.74 138.43,78.74 140.97,78.74 148.59,78.74 151.13,78.74 153.67,78.74 156.21,78.74 158.75,78.74 161.29,78.74 163.83,78.74 166.37,78.74 168.91,78.74 50.8,81.28 53.34,81.28 73.66,81.28 93.98,81.28 96.52,81.28 99.06,81.28 101.6,81.28 104.14,81.28 106.68,81.28 109.22,81.28 111.76,81.28 114.3,81.28 116.84,81.28 119.38,81.28 121.92,81.28 124.46,81.28 127,81.28 129.54,81.28 132.08,81.28 139.7,81.28 52.07,83.82 74.93,83.82 138.43,83.82 50.8,86.36 53.34,86.36 60.96,86.36 63.5,86.36 71.12,86.36 73.66,86.36 76.2,86.36 81.28,86.36 86.36,86.36 88.9,86.36 91.44,86.36 93.98,86.36 96.52,86.36 99.06,86.36 101.6,86.36 104.14,86.36 106.68,86.36 109.22,86.36 111.76,86.36 114.3,86.36 116.84,86.36 119.38,86.36 121.92,86.36 124.46,86.36 127,86.36 129.54,86.36 132.08,86.36 134.62,86.36 137.16,86.36 52.07,88.9 62.23,88.9 64.77,88.9 72.39,88.9 74.93,88.9 77.47,88.9 80.01,88.9 82.55,88.9 85.09,88.9 138.43,88.9 50.8,91.44 60.96,91.44 63.5,91.44 99.06,91.44 101.6,91.44 104.14,91.44 106.68,91.44 109.22,91.44 111.76,91.44 114.3,91.44 116.84,91.44 119.38,91.44 121.92,91.44 124.46,91.44 127,91.44 129.54,91.44 132.08,91.44 134.62,91.44 137.16,91.44 52.07,93.98 74.93,93.98 97.79,93.98 100.33,93.98 102.87,93.98 105.41,93.98 107.95,93.98 110.49,93.98 113.03,93.98 115.57,93.98 118.11,93.98 120.65,93.98 123.19,93.98 125.73,93.98 128.27,93.98 130.81,93.98 133.35,93.98 50.8,96.52 53.34,96.52 71.12,96.52 73.66,96.52 81.28,96.52 52.07,99.06 54.61,99.06 62.23,99.06 67.31,99.06 74.93,99.06 80.01,99.06 50.8,101.6 53.34,101.6 55.88,101.6 58.42,101.6 60.96,101.6 68.58,101.6 52.07,104.14 54.61,104.14 57.15,104.14 59.69,104.14 69.85,104.14 72.39,104.14 74.93,104.14 50.8,106.68 53.34,106.68 55.88,106.68 68.58,106.68 71.12,106.68 73.66,106.68 52.07,109.22 54.61,109.22 57.15,109.22 62.23,109.22 69.85,109.22 50.8,111.76 53.34,111.76 55.88,111.76 68.58,111.76 71.12,111.76 73.66,111.76 52.07,114.3 54.61,114.3 57.15,114.3 62.23,114.3 50.8,116.84 53.34,116.84 55.88,116.84 58.42,116.84 60.96,116.84 68.58,116.84 71.12,116.84 73.66,116.84 76.2,116.84 78.74,116.84 52.07,119.38 54.61,119.38 57.15,119.38 62.23,119.38 69.85,119.38 72.39,119.38 74.93,119.38 77.47,119.38 50.8,121.92 53.34,121.92 55.88,121.92 68.58,121.92 71.12,121.92 73.66,121.92 76.2,121.92 78.74,121.92 52.07,124.46 54.61,124.46 57.15,124.46 59.69,124.46 62.23,124.46 74.93,124.46 77.47,124.46 50.8,127 53.34,127 55.88,127 58.42,127 76.2,127 78.74,127 52.07,129.54 54.61,129.54 57.15,129.54 59.69,129.54 69.85,129.54 72.39,129.54 74.93,129.54 77.47,129.54 50.8,132.08 53.34,132.08 55.88,132.08 58.42,132.08 60.96,132.08 76.2,132.08 78.74,132.08 52.07,134.62 54.61,134.62 57.15,134.62 59.69,134.62 62.23,134.62 64.77,134.62 67.31,134.62 69.85,134.62 72.39,134.62 74.93,134.62 77.47,134.62 50.8,137.16 53.34,137.16 58.42,137.16 60.96,137.16 63.5,137.16 66.04,137.16 68.58,137.16 71.12,137.16 73.66,137.16 76.2,137.16 78.74,137.16 52.07,139.7 59.69,139.7 62.23,139.7 64.77,139.7 67.31,139.7 69.85,139.7 72.39,139.7 74.93,139.7 77.47,139.7 50.8,142.24 58.42,142.24 60.96,142.24 63.5,142.24 66.04,142.24 68.58,142.24 71.12,142.24 73.66,142.24 76.2,142.24 78.74,142.24
  other v2: 140.2,58.1 141.2,58.1 142.3,58.1 141.2,59.1 140.2,59.2 142.3,59.2 140.2,60.2 141.2,60.2 142.3,60.2 63.7,98.7 64.9,98.7 66.1,98.7 64.4,99.5 65.5,99.5 63.8,100.2 65,100.2 66,100.2
NetBA1_1: BA1.1 R5.2 R6.1 | length 16.8
  Top Layer w0.2: BA1.1 117.4,71.1 R5.2 R6.1
NetC5_1: C5.1 DD1.3 | length 5.9
  Top Layer w0.15: C5.1 84.9,64.5 84.9,66.694 84.5,67.094 84.5,67.775 85.25,68.525 DD1.3
NetC6_2: C6.2 DD1.7 | length 5.2
  Top Layer w0.15: C6.2 83.75,74.65 83.75,72.625 85.25,71.125 DD1.7
NetC9_2: C9.2 C11.1 DD2.5 DD2.6
NetC13_1: C13.1 DD1.5 | length 4
  Top Layer w0.15: DD1.5 89.525,69.825 C13.1
NetC13_2: C13.2 DD1.6 | length 5.3
  Top Layer w0.15: DD1.6 86.775,70.475 88.625,72.325 88.625,72.652 89.373,73.4 C13.2
NetC14_1: C14.1 DD1.4 | length 4.6
  Top Layer w0.15: DD1.4 87.225,69.175 89.45,66.95 C14.1
NetC14_2: C14.2 DD1.2 | length 2.6
  Top Layer w0.15: DD1.2 86.35,67.875 87.15,67.075 87.775,67.075 C14.2
NetC16_2: C16.2 R8.1 | length 1.7
  Top Layer w0.15: C16.2@60.35,93.3 C16.2 60.45,93.3 R8.1@62.025,93.3
NetDD2_9: DD2.9 R9.1 | length 2.7
  Top Layer w0.15: R9.1 140.7,63.45 142.15,62 142.15,61.45 DD2.9
NetDD2_18: DD2.18 R11.1 | length 8.7
  Top Layer w0.155: R11.1 134.572,65.378 134.572,63.178 138.65,59.1 DD2.18
NetDD2_19: DD2.19 R10.1 | length 11.7
  Top Layer w0.155: R10.1 133.928,67.378 133.928,66.514 133.647,66.234 133.647,63.603 138.65,58.6 DD2.19
NetHL1_1: HL1.1 R10.2 | length 6.5
  Top Layer w0.15: R10.2 135.75,67.75 136.075,68.075 136.125,68.075 139.75,71.7 HL1.1
NetHL2_1: HL2.1 R11.2 | length 6.5
  Top Layer w0.15: R11.2 135.75,65.75 136.075,66.075 136.125,66.075 139.65,69.6 HL2.1
NetL1_2: L1.2 VD3.2
NetR3_2: R3.2 R4.2 VT1.G | length 5.9
  Top Layer w0.2: VT1.G 112.7,68.55 112.9,68.75 112.9,69.35 114.1,70.55 R4.2 R3.2
NetR5_1: R5.1 VT1.D | length 4.2
  Top Layer w0.2: VT1.D 114.873,67.6 115.069,67.404 115.069,67.231 115.9,66.4 R5.1
NetR12_2: R12.2 X4.2 | length 8.3
  Top Layer w0.15: R12.2 101.664,61.85 X4.2
NetR13_2: R13.2 X4.3 | length 11.9
  Top Layer w0.155: R13.2 101.064,64.95 X4.3
PWM0: R3.1 X1.36 | length 15.5
  Top Layer w0.15: R3.1 R3.1@114.15,75.15
  Top Layer w0.2: R3.1 114.4,75.45 119.86,75.45 125.74,81.33 X1.36
RS232_RX: DD1.8 R13.1 VD5.2 | length 15.7
  Top Layer w0.15: DD1.8 v1(85.8,73.8) ; v1(92.1,66.5) 93.45,66.5 VD5.2 R13.1
  Bottom Layer w0.15: v1(85.8,73.8) 85.8,72.8 v1(92.1,66.5)
RS232_TX: DD1.13 R12.1 VD4.2 | length 20.5
  Top Layer w0.15: DD1.13 78.812,69.187 80.288,69.187 v1(80.3,69.2) ; v1(92.1,60.4) 93.45,60.4 VD4.2 R12.1
  Bottom Layer w0.15: v1(80.3,69.2) 83.3,69.2 v1(92.1,60.4)
RT/CLK: DD3.4 R7.2 | length 2.2
  Top Layer w0.15: DD3.4 62.995,104.395 R7.2
RX: DD1.9 X1.25 | length 25.8
  Top Layer w0.15: DD1.9 78.813,71.788 80.387,71.788 v1(80.4,71.8) ; X1.25@97.74,82.21 97.76,82.19 v1(97.76,78.8)
  Bottom Layer w0.15: v1(80.4,71.8) 88.3,79.7 96.86,79.7 v1@97.58,78.98
RX_DEBUG: DD2.25 X1.10 | length 55.3
  Top Layer w0.15: v2(113,91.7) 113,88.13 X1.10 ; DD2.25 141.2,55.6 v2(141.7,55.1)
  Bottom Layer w0.15: v2(113,91.7) 143.2,61.5 143.2,56.6 v2(141.7,55.1)
SCL: BK1.6 R1.1 X1.18 | length 41.4
  Top Layer w0.15: BK1.6 75.365,115 R1.1@75.715,115.35 ; R1.1@76,115.45 76.2,115.45 76.55,115.1 v1(77.5,115.1) ; X1.18@92.66,87.7 v1(92.66,90.4)
  Bottom Layer w0.15: v1@77.5,115.265 v1(77.5,115.1) 77.5,99 84.225,92.275 91.225,92.275 92.66,90.84 v1(92.66,90.4)
SDA: BK1.1 R2.1 X1.19 | length 47.1
  Top Layer w0.15: v2(71.5,116) 71.5,115.03 BK1.1 ; v2(74.6,109.4) R2.1@75.815,109.4 ; R2.1 R2.1@75.815,109.4 ; X1.19 90.18,89.36 88.64,90.9 77.1,90.9 75.7,92.3 75.7,109.285 R2.1@75.815,109.4
  Bottom Layer w0.15: v2(71.5,116) 69.9,114.4 69.9,111.6 72.1,109.4 v2(74.6,109.4)
SW: C17.1 DD3.8 L2.1 VD6.1
TX: DD1.11 X1.24 | length 23.3
  Top Layer w0.15: DD1.11 78.813,70.488 80.387,70.488 v1(80.4,70.5) ; v1(95.16,78.8) 95.16,82.17 X1.24@95.2,82.21
  Bottom Layer w0.15: v1(80.4,70.5) 88.7,78.8 v1(95.16,78.8) v1@95.2,78.8
TX_DEBUG: DD2.24 X1.32 | length 40
  Top Layer w0.15: X1.32 115.6,82.58 v2(115.6,79.3) ; v2(140.4,55.1) 140.4,55.222 140.7,55.522 DD2.24
  Bottom Layer w0.15: v2(115.6,79.3) 139.8,55.1 v2(140.4,55.1)
USB_D_N: DD2.4 VD2.3 X3.2 | length 34.1
  Top Layer w0.155: DD2.4 143.75,59.1 143.847,59.003 144.529,59.003 146.916,56.616 151.016,56.616 154.4,60 154.4,62.4 154.083,62.717 153.767,62.717 153.55,62.934 VD2.3 154.257,63 154.347,63.091 154.347,63.37 155.18,64.203 157.387,64.203 157.684,64.5 v2(157.7,64.5) ; v2(158.9,68.9) 158.9,68.884 159.197,68.587 159.197,68.318 160.953,66.562 163.732,66.562 163.829,66.465 X3.2
  Bottom Layer w0.155: v2(157.7,64.5) 157.716,64.5 158.013,64.203 158.156,64.203 159.197,65.244 159.197,68.587 158.9,68.884 v2(158.9,68.9)
USB_D_P: DD2.3 VD2.4 X3.3 | length 34
  Top Layer w0.155: DD2.3 143.75,58.6 143.847,58.697 144.403,58.697 146.789,56.311 151.142,56.311 154.705,59.874 154.705,62.4 154.927,62.622 155.233,62.622 155.45,62.839 VD2.4 154.743,63 154.653,63.091 154.653,63.244 155.306,63.897 157.387,63.897 157.684,63.6 v2(157.7,63.6) ; v2(159.8,68.9) 159.8,68.884 159.503,68.587 159.503,68.444 161.079,66.868 163.732,66.868 163.829,66.965 X3.3
  Bottom Layer w0.155: v2(157.7,63.6) 157.716,63.6 158.013,63.897 158.282,63.897 159.503,65.118 159.503,68.587 159.8,68.884 v2(159.8,68.9)
pads on no net: BK1.0 BK1.3 BK1.4 DD1.10 DD1.12 DD1.16 DD2.1 DD2.10 DD2.11 DD2.12 DD2.13 DD2.14 DD2.15 DD2.16 DD2.17 DD2.20 DD2.21 DD2.22 DD2.23 DD2.26 DD2.27 DD2.28 DD3.3 X1.2 X1.3 X1.4 X1.5 X1.6 X1.7 X1.9 X1.11 X1.12 X1.13 X1.14 X1.15 X1.20 X1.26 X1.28 X1.29 X1.31 X1.33 X1.34 X1.38 X1.39 X3.4
copper on no net:
  other v2: 73.215,113.15 72.4,114 73.215,114.85

## Polygon pours and split planes (outlines as drawn)
GND on Top Layer "GND_L01_P068" (solid, pour order 68): 50,50 50,145 170,145 170,50
NetC9_2 on Top Layer "NETC9_2_L01_P044" (solid, pour order 44): 143,60.3 144.7,60.3 145.2,60.8 145.2,62 146.5,62 146.5,58.8 145.2,58.8 145.2,59.3 143,59.3
CN_5V_IN on Top Layer "CN_5V_IN_L01_P056" (solid, pour order 56): 150.6,64.3 150.6,65.9 154.2,65.9 154.2,64.3
NetL1_2 on Top Layer "NETL1_2_L01_P054" (solid, pour order 54): 154.2,64.8
NetL1_2 on Top Layer "NETL1_2_L01_P052" (solid, pour order 52): 150.7,64.5
NetL1_2 on Top Layer "NETL1_2_L01_P050" (solid, pour order 50): 150.6,68.8
NetL1_2 on Top Layer "NETL1_2_L01_P048" (solid, pour order 48): 152.5,66.3 150.4,66.3 150.4,65.8 147.4,65.8 147.4,68.2 152.5,68.2 152.5,66.5
+5V_USB on Top Layer "+5V_USB_L01_P046" (solid, pour order 46): 141.8,72.5 143.2,72.5 143.2,64.4 143.5,64.1 146.7,64.1 147.3,64.7 150.2,64.7 150.2,62.2 147.4,62.2 147,62.6 145.2,62.6 144.1,61.5 144.1,60.4 143,60.4 143,60.9 142.5,60.9 142.5,62.2 142.4,62.2 141.8,62.8
+3V3_SPKR on Top Layer "+3V3_SPKR_L01_P042" (solid, pour order 42): 134.6,83.2 134.6,80.7 132.9,79 132.3,79 126.7,73.4 126.7,65.9 127.6,65 127.6,63 129.2,63 130.1,63.9 130.1,73 137.4,80.3 137.4,83.2
no net on Top Layer "NONET_L01_P040" (solid, pour order 40): 134.9,83.6
SW on Top Layer "SW_L01_P008" (solid, pour order 8): 65.3,88.6 65.3,95.7 66.2,95.7 66.2,97.1 68.2,97.1 69.5,97.1 69.5,86.023 65.1,82.623 65.1,88.4
24V_IN on Top Layer "Top Layer-24V_IN" (solid, pour order 26): 62.8,129.9 64,128.7 64,104.967 65.1,103.5 65.1,101.3 66,101.3 66,103.4 67.6,105 67.6,122.5 68.1,123 68.1,133.8 61.5,133.8 61.5,129.9
+3V3 on Top Layer "+3V3_L01_P014" (solid, pour order 14): 93.925,87.55 93.925,91.825 78.575,91.825 76.95,93.45 76.95,108.198 76.417,108.559 76.417,111.6 74.9,111.6 74.9,113.6 73.6,113.6 73.6,114.4 77.6,114.4 78.8,113.2 78.8,95.2 80.5,93.5 95.475,93.5 96.525,92.45 96.525,87.55
+5V on Top Layer "+5V_L01_P010" (solid, pour order 10): 53.4,92.2 53.4,90.7 54.5,89.6 54.5,72 55.4,71.1 55.4,66.4 77.2,66.4 77.2,66.9 77.9,67.6 79.7,67.6 79.7,68.2 77.4,68.2 77.4,76.5 79.8,78.9 91.4,78.9 91.4,85 91.2,85.2 78.4,85.2 71.1,77.9 71.1,74.8 59.581,74.8 59.501,92.2
FB on Top Layer "FB_L01_P006" (solid, pour order 6): 53.5,93.8 53.5,96 54.7,96 56.4,97.7 63.5,97.7 63.5,95.9 63.3,95.7 59.4,95.7 59.4,93.8
no net on Top Layer "NONET_L01_P000" (solid, pour order 0): 117.3,79.3
GND on Bottom Layer "GND_L02_P074" (solid, pour order 74): 50,50 50,145 170,145 170,50

## Silkscreen, mask and mechanical layers (free items; w line width, h text height)
Top Overlay:
  text "POWER" at 66.8,142 h2
  text "TX" at 137.2,71.1 h2
  text "RX" at 137.1,69 h2
  text "DEBUG / UART" at 158.4,58.7 h2
  text "Motherboard" at 59.6,56.3 h3
  text ".designation" at 61.8,53.3 h2
  text "RS-232" at 112,51.9 h2
Bottom Overlay:
  text ".pcb_dec_number" at 77.8,53.3 h2
Board:
  the board outline again, w0.1
Assembly Notes (Mech5):
  text "'.title'" at 50,47.5 h2
  text "'.project'_'.pcb_dec_number'['.Pcb_File_Name_No_Path']" at 50,45 h2